# Altium PCB 3-as-manufactured.pcbdoc (part 6 of 12)
Units mil, origin at the board's own origin, x right, y up, seen from the top; angles counter-clockwise.
Board outline 2728 x 2217 mil, 8 copper layers (L1_TOP, L2_GND, L3_INNER1, L4_GND, L5_PWR, L6_INNER2, L7_GND, L8_BOT), stack 48.618 mil thick; 227 components, 321 nets, 1592 pads, 1187 vias.
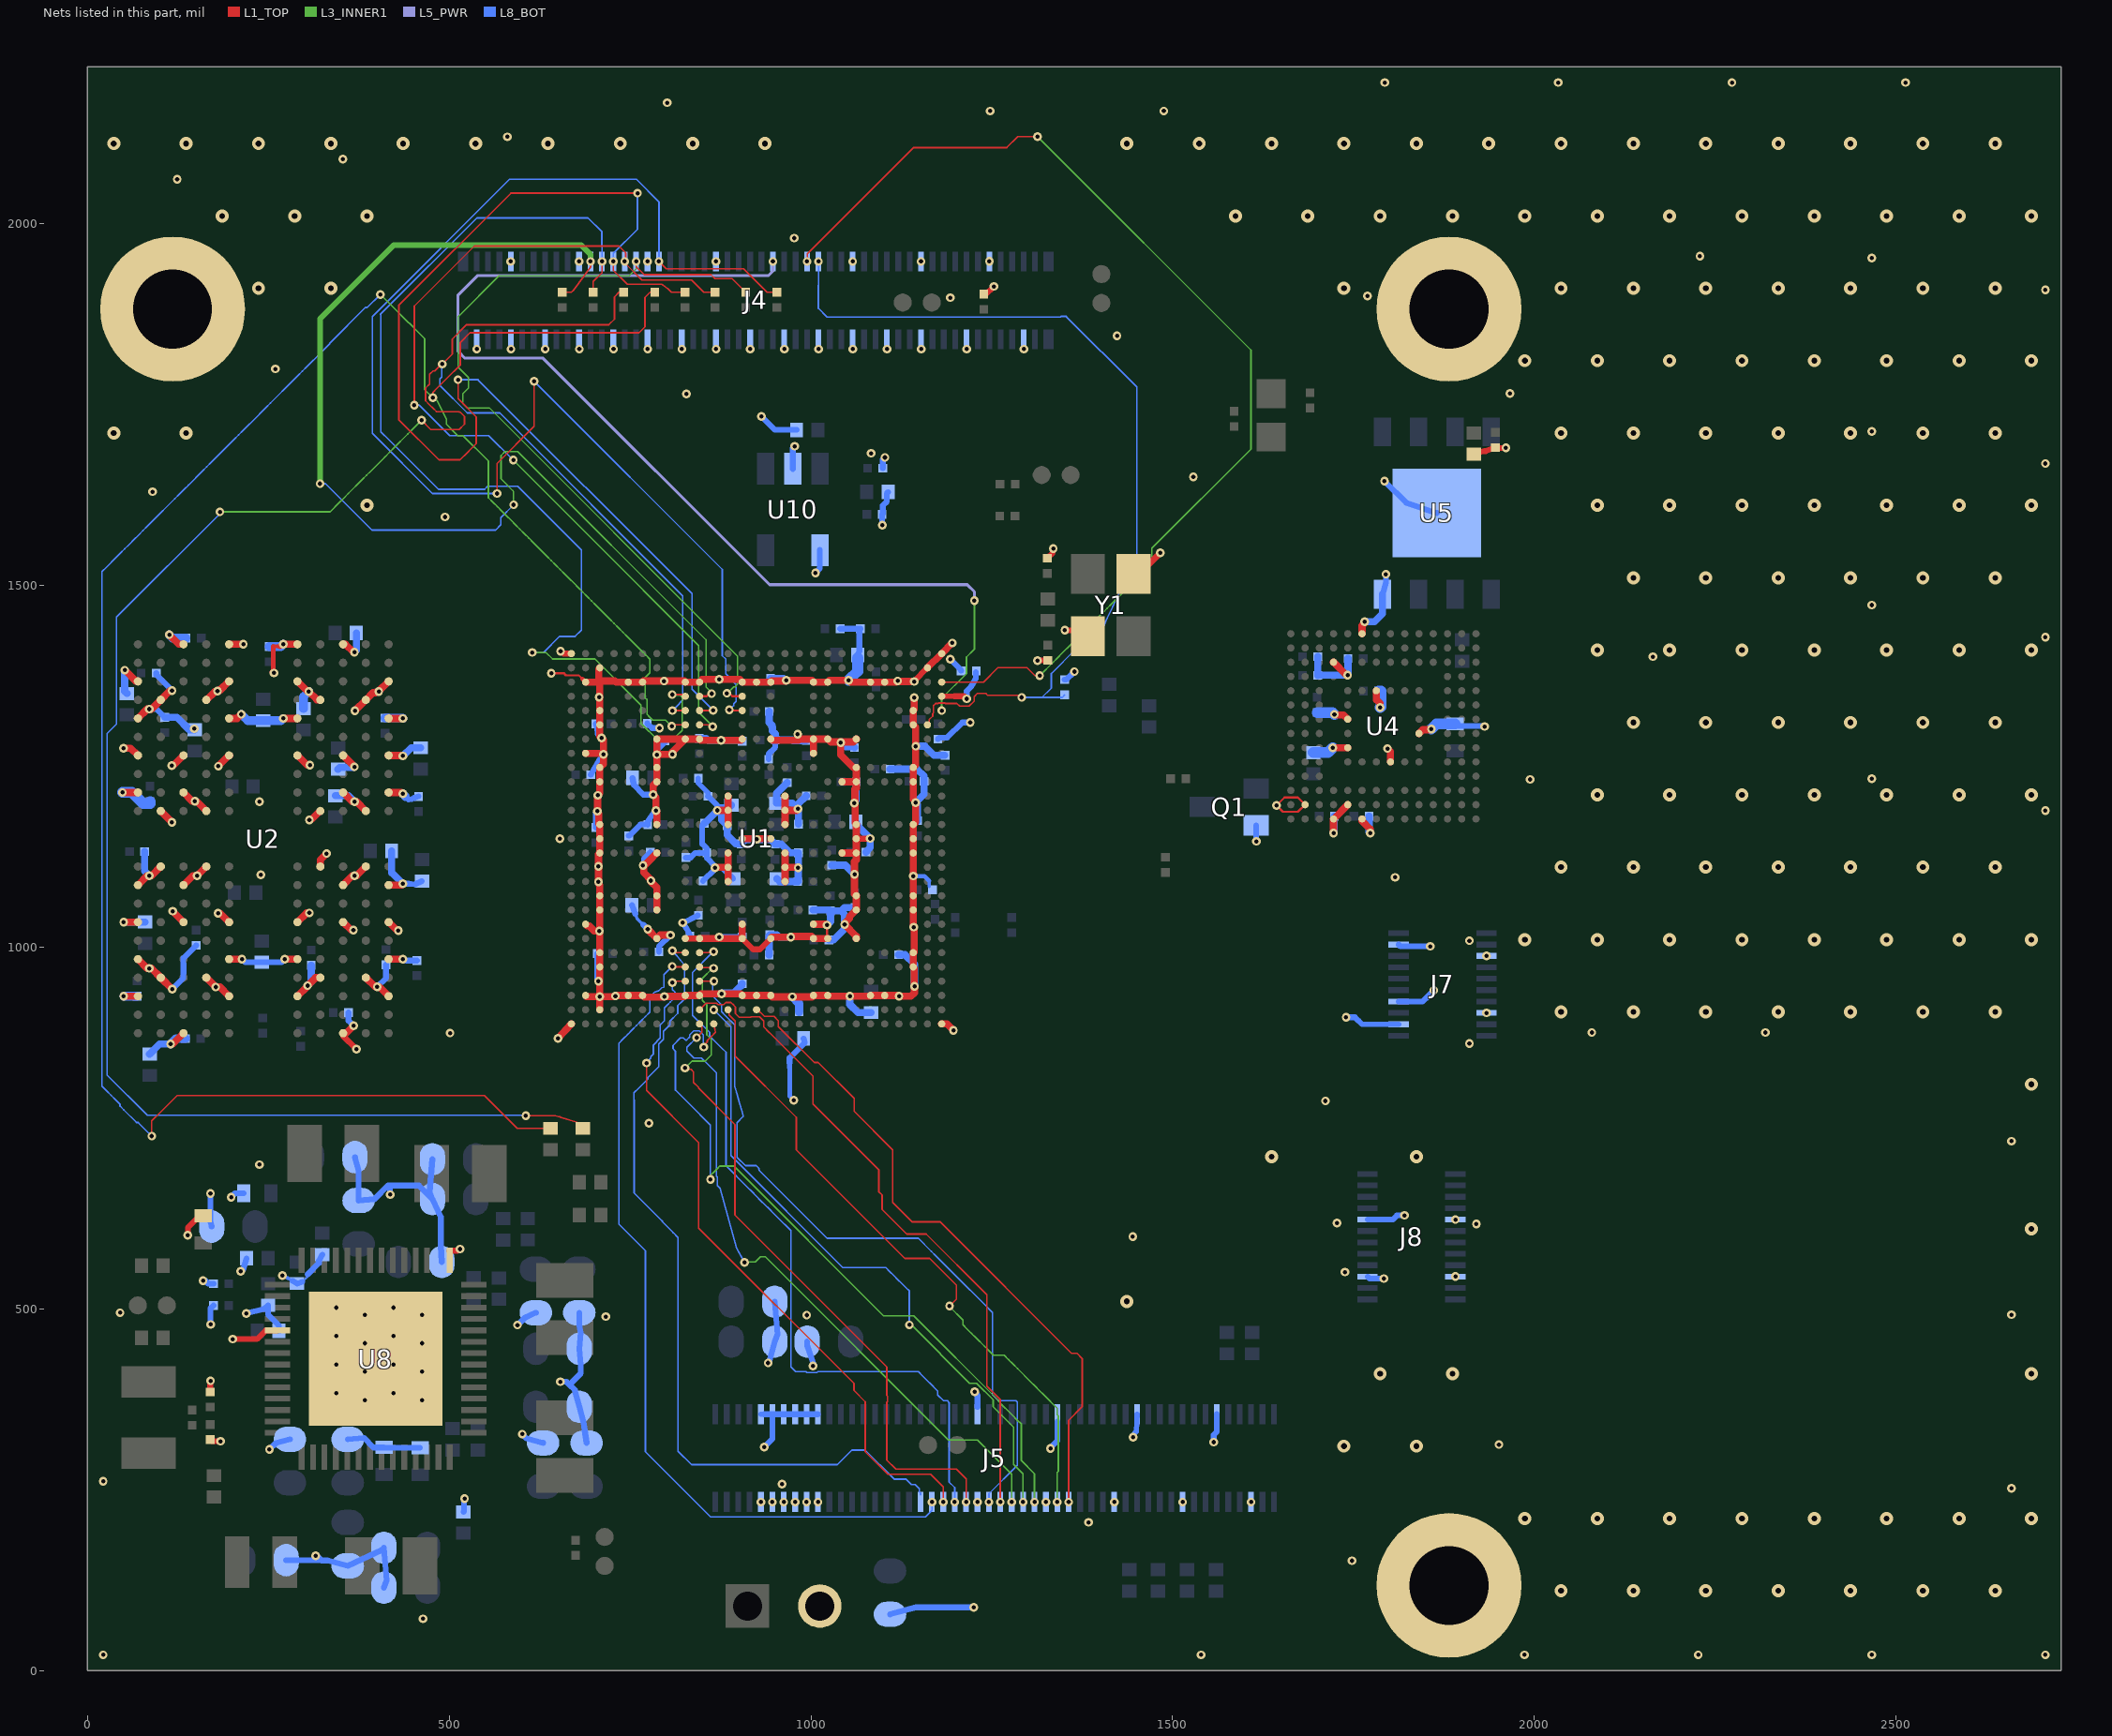
[diagram p12: the nets of this part, all layers, seen from the top]

## Via types
v1: diameter 12, hole 5.9, L1_TOP to L8_BOT, tented both sides, 1041 vias
v2: diameter 18, hole 8, L1_TOP to L8_BOT, tented both sides, 146 vias

## Nets (pads, with @x,y where several pads share a name; then routed paths per layer and width w, separated by ;. In a path a pad name is that pad's centre, name@x,y a point inside that pad or via, vN(x,y) a via of type N, cw(c..) or ccw(c..) an arc to the next point about the centre after c; other vN are vias at no path point) (continued)
GND: BH1.1 BH2.1 BH3.1 C1.2 C2.2 C3.2 C5.2 C6.2 C8.2 C9.2 C10.2 C11.2 C12.2 C13.2 C15.2 C16.2 C17.2 C20.2 C21.2 C23.2 C30.2 C33.2 C35.2 C36.2 C48.2 C54.2 C55.2 C61.2 C65.2 C74.2 C78.2 C88.2 C89.2 C90.2 C91.2 C92.2 C93.2 C94.2 C95.2 C99.2 C100.2 C101.2 C104.2 C105.2 C106.2 C108.2 C109.2 C110.2 C111.2 C112.2 C113.2 C114.2 C115.2 C117.2 C118.2 C119.2 C123.2 C124.2 C127.2 C128.2 C129.2 C130.2 C131.2 C132.2 C133.2 C136.2 C137.2 C138.2 C139.2 C234.1 C235.2 C241.2 C244.2 C245.2 C247.2 C248.2 C251.2 C253.2 C254.2 C255.2 C256.2 C260.2 C264.2 C265.2 C266.2 C267.2 C268.2 C275.2 C279.1 C281.1 C283.2 C285.2 C287.2 C295.1 C298.2 C299.2 C301.1 C303.2 C304.2 C306.1 C307.1 C311.2 C312.2 C316.1 C317.2 C323.1 C324.2 C333.2 C337.2 C360.2 C363.2 C365.2 C370.2 C371.2 C372.2 C373.2 C374.2 C375.2 C376.2 C378.2 C379.2 C380.2 C381.2 C382.2 C384.2 C391.2 C392.2 C393.2 C394.2 C400.2 C401.1 C402.1 C403.2 C404.2 C405.2 C406.2 C407.1 C408.2 C410.2 J4.1 J4.7 J4.8 J4.13 J4.19 J4.20 J4.25 J4.31 J4.32 J4.37 J4.43 J4.44 J4.49 J4.55 J4.61 J4.67 J4.68 J4.73 J4.79 J4.80 J4.87 J4.92 J4.97 J5.9 J5.10 J5.11 J5.12 J5.13 J5.14 J5.15 J5.16 J5.17 J5.18 J5.19 J5.20 J5.47 J5.48 J5.60 J5.61 J5.72 J5.75 J5.84 J5.89 J5.96 J6.2 J7.3 J7.6 J7.7 J7.16 J7.17 J8.9 J8.10 J8.19 J8.20 Q1.2 R4.1 R7.1 R18.2 R23.2 R28.2 R29.2 R30.2 R103.2 R121.1 R122.1 R123.1 R124.1 R135.2 U1.A1 U1.A27 U1.AA7 U1.AA9 U1.AA10 U1.AA13 U1.AA15 U1.AA18 U1.AA19 U1.AA21 U1.AB3 U1.AB25 U1.AC3 U1.AC25 U1.AE2 U1.AE5 U1.AE6 U1.AE9 U1.AE10 U1.AE13 U1.AE14 U1.AE15 U1.AE18 U1.AE19 U1.AE22 U1.AE23 U1.AF3 U1.AG1 U1.AG27 U1.B3 U1.B26 U1.C2 U1.C5 U1.C6 U1.C9 U1.C10 U1.C13 U1.C14 U1.C15 U1.C18 U1.C19 U1.C22 U1.C23 U1.E3 U1.E25 U1.F3 U1.F25 U1.G7 U1.G9 U1.G10 U1.G13 U1.G15 U1.G18 U1.G19 U1.G21 U1.H2 U1.H18 U1.J3 U1.J7 U1.J21 U1.J25 U1.K3 U1.K7 U1.K20 U1.K21 U1.K25 U1.L12 U1.L16 U1.M12 U1.M16 U1.N3 U1.N7 U1.N12 U1.N16 U1.N21 U1.N25 U1.P3 U1.P13 U1.P15 U1.P21 U1.P25 U1.R3 U1.R7 U1.R12 U1.R16 U1.R20 U1.R21 U1.R25 U1.T12 U1.T16 U1.U12 U1.U16 U1.V3 U1.V7 U1.V21 U1.V25 U1.W3 U1.W7 U1.W21 U1.W25 U1.Y2 U1.Y13 U1.Y18 U2.A3 U2.A10 U2.AB3 U2.AB5 U2.AB8 U2.AB10 U2.C1 U2.C5 U2.C8 U2.C12 U2.D2 U2.D4 U2.D9 U2.D11 U2.E1 U2.E5 U2.E8 U2.E12 U2.G1 U2.G3 U2.G5 U2.G8 U2.G10 U2.G12 U2.J1 U2.J3 U2.J10 U2.J12 U2.K2 U2.K4 U2.K9 U2.K11 U2.N2 U2.N4 U2.N9 U2.N11 U2.P1 U2.P3 U2.P10 U2.P12 U2.T1 U2.T3 U2.T5 U2.T8 U2.T10 U2.T12 U2.V1 U2.V5 U2.V8 U2.V12 U2.W2 U2.W4 U2.W9 U2.W11 U2.Y1 U2.Y5 U2.Y8 U2.Y12 U4.A6 U4.C4 U4.E7 U4.G5 U4.H10 U4.J5 U4.K8 U4.N2 U4.N5 U4.P4 U4.P6 U5.4 U5.9 U8.5 U8.43 U8.57 U10.2 U10.4 Y1.2 Y1.4 | length 11402.4
  L1_TOP w2.79: 660.88,1376.28 661.62,1375.54 679.58,1375.54 684.13,1370.99
  L1_TOP w3: v1(1022.22,1030.58) 1022.22,1013.19 U1.AA19@1023.31,1012.1 ; v1(1643.48,1195.93) 1654.45,1206.9 1673,1206.9 U4.N2@1682.91,1196.99 1673.04,1187.12 1652.29,1187.12 v1(1643.48,1195.93)
  L1_TOP w3.37: v1(641.29,1378.66) 658.5,1378.66 660.88,1376.28
  L1_TOP w5: 256.91,1415.81 v1@266.08,1415.81
  L1_TOP w5.71: 684.13,1370.99 U1.C2@688.67,1366.44
  L1_TOP w6.29: v1@256.91,1381.4 256.91,1415.81
  L1_TOP w8: U1.AA13@905.21,1012.1 920.18,997.13 929.6,997.13 U1.AA15@944.57,1012.1 ; U1.P21@1062.69,1149.9 1081.68,1149.9 v1(1082.08,1150.3) ; v1(1142.66,1367.21) 1142.66,1367.67 U1.B26@1161.11,1386.12
  L1_TOP w8.05: v1(139.05,601.94) 139.05,612.36 156.32,629.62 C360.2@160,628.7 ; C299.2@170,319.49 172.27,317.22 v1(184.23,317.22) ; C298.2@170,385.51 170,400.32 v1(170.45,400.77) ; v1(201.2,458.41) 234.58,458.41 246.77,470.6 U8.5@262.86,470.6 ; v1@255.69,1380.18 256.82,1380.18 v1(258,1379) ; v1@266.08,1415.81 v1@268.85,1418.58 ; U2.A3@353.57,881.2 353.58,877.35 v1@371.89,859.04 ; U8.43@501.07,580.54 511.59,580.54 513.96,582.91 v1(515.03,582.91) ; v1(654.12,1408.95) 655.19,1408.95 658.3,1405.85 659.08,1405.85 U1.A1@668.98,1405.81 ; U1.AA9@826.47,1012.1 U1.AA10@846.15,1012.1 ; R135.2@1239,1902.5 1241.41,1901.7 v1(1252.84,1913.13) ; v1(1313.1,1396.26) 1320.07,1396.26 1320.33,1396.52 C124.2@1327.3,1396.52 ; C123.2@1326.68,1537.75 1334.24,1545.31 1334.24,1550.24 v1(1335,1551) ; v1(1350.9,1438.03) 1365.91,1438.03 Y1.4@1382.83,1429.55 ; Y1.2@1445.85,1516.15 1452.39,1514.63 1476.03,1538.27 v1(1482.72,1544.97) ; C139.2@1916,1681.24 1930.94,1685.73 1932.67,1685.73 C138.2@1946,1690.49 1947.47,1689.97 v1(1960.49,1689.97)
  L1_TOP w10: v1(48.68,1213.88) U2.P12@70.1,1213.88 ; v1(50.08,1275.14) 60.02,1275.14 U2.T12@70.1,1265.06 ; v1(50.41,932.38) U2.C12@70.1,932.38 ; v1(50.41,1034.74) U2.G12@70.1,1034.74 ; v1(51.89,1382.9) 67.37,1367.42 U2.Y12@70.1,1367.42 ; U2.E12@70.1,983.56 82.89,970.77 v1(85.85,970.77) 88.8,970.77 U2.D11@101.6,957.97 v1(117.5,942.07) ; U2.J12@70.1,1085.92 82.9,1098.72 v1(85.85,1098.72) 88.81,1098.72 U2.K11@101.6,1111.51 ; U2.V12@70.1,1316.24 82.89,1329.03 v1(85.85,1329.03) 88.8,1329.03 U2.W11@101.6,1341.83 114.31,1354.54 v1(117.22,1354.54) ; U2.N11@101.6,1188.29 v1(117.15,1172.74) ; v1(113.36,1431.9) 126.66,1418.6 U2.AB10@133.09,1418.6 ; v1(115.25,866.3) 118.19,866.3 U2.A10@133.09,881.2 ; v1(117.01,1250.89) 118.92,1250.89 U2.T10@133.09,1265.06 ; v1(118.03,1049.8) U2.G10@133.09,1034.74 ; U2.J10@133.09,1085.92 145.89,1098.72 v1(151.8,1098.72) U2.K9@164.59,1111.51 ; U2.P10@133.09,1213.88 145.07,1201.9 v1(148.89,1201.9) 149.71,1201.08 151.8,1201.08 U2.N9@164.59,1188.29 ; U2.W9@164.59,1341.83 165,1341.83 176.21,1353.04 179.04,1353.04 180.96,1354.96 183.22,1354.96 195.68,1367.42 U2.Y8@196.09,1367.42 ; U2.D9@164.63,957.97 v1@177.6,945 ; v1@177.6,944.92 183.55,944.92 U2.C8@196.09,932.38 ; v1(180.76,1047.08) 183.75,1047.08 U2.G8@196.09,1034.74 ; v1(181.19,1250.16) U2.T8@196.09,1265.06 ; U2.E8@196.09,983.56 v1(213.84,983.56) ; U2.V8@196.09,1316.24 207.26,1316.24 v1(212.92,1321.9) ; U2.AB8@196.09,1418.6 v1(215.77,1418.6) ; v1(270.89,1316.24) U2.V5@290.57,1316.24 ; v1(270.89,1418.6) U2.AB5@290.57,1418.6 ; v1(272.82,983.56) U2.E5@290.57,983.56 ; U2.C5@290.57,932.38 304.47,946.28 v1(304.47,946.93) 315.51,957.97 U2.D4@322.07,957.97 ; U2.G5@290.57,1034.74 303.2,1047.37 v1(306.97,1047.37) ; U2.T5@290.57,1265.06 303.89,1251.74 v1(307.68,1251.74) ; U2.Y5@290.57,1367.42 304.59,1353.4 v1(306.19,1353.4) 317.47,1342.12 321.78,1342.12 U2.W4@322.07,1341.83 ; v1(307,1175.91) 308.15,1177.05 310.43,1177.05 321.66,1188.29 U2.N4@322.07,1188.29 ; U2.K4@322.07,1111.51 322.07,1120.67 v1(330.86,1129.46) ; U2.G3@353.57,1034.74 364.78,1023.53 v1(367.87,1023.53) ; U2.J3@353.57,1085.92 366.37,1098.72 v1(369.3,1098.72) 372.27,1098.72 U2.K2@385.06,1111.51 ; U2.P3@353.57,1213.88 366.37,1201.08 369.4,1201.08 v1(369.5,1200.98) 372.37,1200.98 U2.N2@385.06,1188.29 ; U2.T3@353.57,1265.06 v1(369.24,1249.35) ; U2.AB3@353.57,1418.6 353.86,1418.31 357.25,1418.31 367.94,1407.62 v1(369.29,1407.62) ; U2.A3@353.57,881.2 357.68,881.2 v1(368.01,891.53) ; v1(369.86,1326.63) U2.W2@385.06,1341.83 394.92,1351.69 398.24,1351.69 399.76,1353.21 v1(402.89,1353.21) 402.89,1353.75 U2.Y1@416.56,1367.42 ; U2.D2@385.06,957.97 397.85,945.18 v1(400.81,945.18) 403.76,945.18 U2.C1@416.56,932.38 ; U2.E1@416.56,983.56 v1(436.24,983.56) ; U2.G1@416.56,1034.74 428.23,1023.07 429.86,1023.07 v1(429.9,1023.03) ; U2.J1@416.56,1085.92 434.24,1085.92 v1(436.06,1087.74) ; U2.P1@416.56,1213.88 434.24,1213.88 v1(436.06,1212.06) ; U2.T1@416.56,1265.06 435.61,1265.06 v1(436.35,1264.32) ; U2.V1@416.56,1316.24 v1(436.24,1316.24) ; v1(650.54,874.07) U1.AG1@668.98,893.99 ; U1.H2@688.67,1268.01 712.03,1268.01 v1(713.39,1266.65) ; U1.C2@688.67,1366.44 705.29,1366.44 706.77,1367.92 ; U1.AE2@690.5,931.53 v1(708.21,931.53) ; U1.Y2@691.1,1029.36 693.62,1029.36 700.76,1022.22 v1(707.81,1022.22) ; v1(707.31,1345.6) v1@708.35,1344.56 ; U1.AF3@708.35,913.68 708.21,913.82 v1(708.21,931.53) ; U1.B3@708.35,1386.12 706.77,1384.54 706.77,1367.92 ; v1(774.61,1024.87) 774.61,1024.58 U1.AA7@787.09,1012.1 791.72,1016.73 v1(805.89,1016.73) ; U1.W7@787.09,1051.48 787.09,1082.56 779,1090.65 779,1093.35 768.96,1103.4 768.96,1112.04 v1(768,1113) 768.96,1113.96 770.95,1113.96 781.41,1124.42 781.41,1124.54 U1.R7@787.09,1130.22 ; U1.N7@787.09,1169.58 787.09,1187.7 v1(785.89,1188.9) 785.89,1206.9 v1(781.89,1210.9) 781.89,1223.44 U1.K7@787.09,1228.64 U1.J7@787.09,1248.32 v1(787.09,1266.17) ; U1.AA10@846.15,1012.1 871.44,1012.1 v1(873.5,1014.16) 875.56,1012.1 U1.AA13@905.21,1012.1 U1.Y13@905.21,1031.79 ; v1(867.54,1109.96) 868.11,1110.53 U1.T12@885.52,1110.53 ; v1(870.59,1189.16) 870.7,1189.27 U1.M12@885.52,1189.27 ; v1(876.47,935.72) 876.54,935.72 902.85,935.72 U1.AE13@905.21,933.36 U1.AE15@944.57,933.36 946.43,931.51 v1(974.35,931.51) 1001.78,931.51 U1.AE18@1003.63,933.36 U1.AE19@1023.31,933.36 1024.4,932.27 v1(1053.8,932.27) 1081.25,932.27 U1.AE22@1082.37,933.36 U1.AE23@1102.05,933.36 1120.79,933.36 v1(1121.84,932.32) 1138.44,932.32 1143.26,937.14 v1(1143.26,946.08) 1142.97,946.37 1142.97,971.2 U1.AC25@1141.43,972.74 U1.AB25@1141.43,992.42 1142.7,993.69 1142.7,1027.1 v1(1142,1027.8) ; v1(876.47,935.72) 848.51,935.72 U1.AE10@846.15,933.36 U1.AE9@826.47,933.36 825.04,931.94 v1(797.52,931.94) 796.56,930.98 769.79,930.98 U1.AE6@767.41,933.36 U1.AE5@747.73,933.36 730.65,933.36 v1(729.89,932.6) 728.82,931.53 v1(708.21,931.53) ; U1.U12@885.52,1090.84 U1.T12@885.52,1110.53 ; U1.R12@885.52,1130.22 U1.T12@885.52,1110.53 ; U1.N12@885.52,1169.58 U1.M12@885.52,1189.27 ; U1.L12@885.52,1208.96 U1.M12@885.52,1189.27 ; U1.P13@905.21,1149.9 924.23,1149.9 v1(925.04,1149.09) 925.85,1149.9 U1.P15@944.57,1149.9 ; U1.G13@905.21,1287.7 903.55,1286.04 v1(875.81,1286.04) 847.81,1286.04 U1.G10@846.15,1287.7 U1.G9@826.47,1287.7 ; U1.AA15@944.57,1012.1 946.35,1013.88 v1(972.2,1013.88) 973.2,1014.88 1000.85,1014.88 U1.AA18@1003.63,1012.1 U1.AA19@1023.31,1012.1 ; U1.G15@944.57,1287.7 946.39,1285.88 983,1285.88 ; U1.U16@964.26,1090.84 U1.T16@964.26,1110.53 ; U1.R16@964.26,1130.22 U1.T16@964.26,1110.53 ; U1.N16@964.26,1169.58 U1.M16@964.26,1189.27 ; U1.L16@964.26,1208.96 U1.M16@964.26,1189.27 ; v1(981.81,1294.26) 982.77,1293.31 982.77,1286.11 983,1285.88 ; v1(982.18,1191.15) 980.3,1189.27 U1.M16@964.26,1189.27 ; v1(982.4,1109.84) 981.71,1110.53 U1.T16@964.26,1110.53 ; U1.Y18@1003.63,1031.79 1021.01,1031.79 v1(1022.22,1030.58) ; U1.H18@1003.63,1268.01 U1.G18@1003.63,1287.7 ; v1@1041.12,1282.52 1041.12,1265.89 1058.69,1248.32 U1.J21@1062.69,1248.32 U1.K21@1062.69,1228.64 ; v1@1041.26,1282.66 1042.17,1283.57 1058.56,1283.57 U1.G21@1062.69,1287.7 ; v1(1041.31,1282.62) 1040.35,1283.57 1027.44,1283.57 U1.G19@1023.31,1287.7 U1.G18@1003.63,1287.7 ; U1.R20@1043,1130.22 U1.R21@1062.69,1130.22 ; U1.K20@1043,1228.64 U1.K21@1062.69,1228.64 ; v1@1046.59,1031.4 1062.69,1015.3 U1.AA21@1062.69,1012.1 ; v1(1046.66,1031.48) 1046.66,1032.83 1053.51,1039.68 1053.51,1042.3 U1.W21@1062.69,1051.48 U1.V21@1062.69,1071.16 1060.27,1073.57 v1(1060.27,1100.65) 1060.27,1118.35 1062.69,1120.77 U1.R21@1062.69,1130.22 ; v1(1060,1199.16) 1060,1197.81 1061.04,1196.77 1061.04,1171.23 U1.N21@1062.69,1169.58 U1.P21@1062.69,1149.9 U1.R21@1062.69,1130.22 ; v1@1061.04,1199.16 1060.96,1199.24 1060.96,1218.31 1062.69,1220.05 U1.K21@1062.69,1228.64 ; v1(1141.56,1098.36) 1141.43,1098.23 1141.43,1028.37 v1@1141.9,1027.9 ; v1@1142.65,1099.45 1141.43,1100.67 U1.N25@1141.43,1169.58 1144.67,1172.82 v1(1144.67,1199.77) ; v1(1142.66,1367.21) 1120.68,1367.21 v1(1119.86,1368.03) 1118.27,1366.44 U1.C23@1102.05,1366.44 U1.C22@1082.37,1366.44 1054.72,1366.44 v1(1052.24,1368.92) 1025.79,1368.92 U1.C19@1023.31,1366.44 U1.C18@1003.63,1366.44 1001.32,1368.75 v1(965.89,1368.75) 964.93,1367.79 945.92,1367.79 U1.C15@944.57,1366.44 U1.C14@924.89,1366.44 U1.C13@905.21,1366.44 901.51,1370.14 v1(873.26,1370.14) 849.85,1370.14 U1.C10@846.15,1366.44 U1.C9@826.47,1366.44 825.09,1367.81 v1(797.23,1367.81) 768.78,1367.81 U1.C6@767.41,1366.44 U1.C5@747.73,1366.44 730.92,1366.44 729.11,1368.25 728.78,1367.92 706.77,1367.92 ; v1(1142.96,1344.93) 1142.96,1328.59 U1.E25@1141.43,1327.06 U1.F25@1141.43,1307.38 1144.93,1303.88 v1(1144.93,1277.76) 1144.93,1251.82 U1.J25@1141.43,1248.32 U1.K25@1141.43,1228.64 1141.43,1204.36 v1@1144.67,1201.12 ; U1.B26@1161.11,1386.12 U1.A27@1180.8,1405.81 v1(1195.49,1420.5) ; U1.AG27@1180.8,893.99 1188.24,893.99 v1(1197.01,885.22) ; v1(1721.33,1275.73) U4.J5@1741.97,1275.73 ; v1(1722.28,1157.86) U4.P4@1722.28,1177.31 U4.N5@1741.97,1196.99 ; U4.C4@1722.28,1393.84 1740.13,1375.99 v1(1741.72,1375.99) ; v1(1723.44,1321.79) 1724.4,1320.83 1736.24,1320.83 U4.G5@1741.97,1315.1 ; U4.P6@1761.65,1177.31 1761.65,1174.61 1773.14,1163.12 v1(1773.14,1157.71) ; U4.A6@1761.65,1433.21 1761.65,1444.35 1765.41,1448.11 v1(1765.41,1449.79) ; U4.E7@1781.34,1354.47 1781.34,1342.08 1786.48,1336.94 v1(1786.48,1331.16) ; v1(1796.79,1274.61) 1801.02,1270.38 U4.K8@1801.02,1256.05 ; U4.H10@1840.39,1295.42 1845.58,1300.61 1856.51,1300.61 v1(1857.46,1301.57) ; 706.77,1367.92 708.35,1366.34 v1@708.35,1344.56 ; v1(707.81,1022.22) 708.35,1022.76 U1.W3@708.35,1051.48 U1.V3@708.35,1071.16 708.35,1085.47 706.86,1086.96 706.86,1088.51 706.64,1088.73 706.64,1090.24 v1(706.52,1090.36) v1(706.52,1111.9) 706.52,1128.39 U1.R3@708.35,1130.22 U1.P3@708.35,1149.9 U1.N3@708.35,1169.58 706.96,1170.97 706.96,1184.69 705,1186.65 v1(705,1188) 705.32,1188.33 705.32,1209.61 708.35,1212.64 U1.K3@708.35,1228.64 U1.J3@708.35,1248.32 713.39,1253.36 v1(713.39,1266.65) ; v1(707.81,1022.22) 708.35,1021.68 U1.AB3@708.35,992.42 U1.AC3@708.35,972.74 708.35,954.97 v1(706.55,953.17) 708.21,951.51 v1(708.21,931.53) ; v1@708.35,1344.56 U1.E3@708.35,1327.06 U1.F3@708.35,1307.38 708.35,1291.57 v1(710.84,1289.08) 713.39,1286.53 v1(713.39,1266.65) ; v1(787.09,1266.17) U1.G7@787.09,1287.7 U1.G9@826.47,1287.7 ; v1(787.09,1266.17) 787.47,1266.55 v1(808.81,1266.55) 808.81,1270.04 U1.G9@826.47,1287.7 ; 983,1285.88 984.82,1287.7 U1.G18@1003.63,1287.7
  L8_BOT w3: C13.2@297.26,537.42 298.02,538.18 302.19,542.32 304.51,544.64 304.51,547.92
  L8_BOT w4: C17.2@1163.59,1083.87 1163.59,1091.67
  L8_BOT w4.54: 277.13,542.56 C13.2@283.57,538.9 ; 757.43,1045.85 759.73,1039.71 762.12,1037.32 768.37,1031.09
  L8_BOT w5: v1@270.7,546.22 277.13,542.56
  L8_BOT w6: v1(1141.56,1098.36) 1156.9,1098.36 1163.59,1091.67
  L8_BOT w6.29: 970.62,833.7 970.62,794.27 v1(976.4,788.49)
  L8_BOT w6.88: 970.62,833.7 970.62,840.41
  L8_BOT w7: C95.2@844.4,1233.61 844.4,1226.95 857.78,1213.57 C78.2@857.78,1208.61
  L8_BOT w7.46: 443.96,1204.17 448.54,1204.6 451.89,1206.4 ; J5.9@931.06,354.53 935.08,354.53 ; v1(1445.45,323) 1444.2,324.25 1449.91,330.66 1450.47,344.26 J5.75@1450.74,354.53 ; 1756.71,898.3 1761.56,893.44 J7.3@1812.23,893.45
  L8_BOT w8: v1(85.85,1329.03) 95.97,1329.03 C375.2@107.2,1317.8 ; C373.2@95.4,1378.9 95.4,1376.36 v1(117.22,1354.54) ; v1(117.5,942.07) 132.89,957.46 132.89,963.66 133.17,963.94 133.17,977.2 132.89,977.48 132.89,984.8 C372.2@150.6,1002.51 ; v1(213.84,983.56) 218.26,979.14 C115.2@241.39,979.14 268.4,979.14 v1(272.82,983.56) ; C379.2@361.08,909.56 361.08,898.46 v1(368.01,891.53) ; v1(400.81,945.18) 412.78,957.15 C370.2@412.78,975.73 ; v1(436.24,983.56) v1@438.11,981.69 ; v1(768,1113) 769.34,1114.34 769.34,1122.25 C93.2@778.2,1131.11 ; C90.2@827.25,1123.9 833.89,1123.9 840.4,1130.41 C54.2@856.31,1130.41 ; C61.2@850.96,1091.56 867.54,1108.14 v1(867.54,1109.96) ; C74.2@852.92,1171.19 849.89,1168.16 849.89,1142.91 856.31,1136.49 C54.2@856.31,1130.41 ; C78.2@857.78,1208.61 870.59,1195.8 v1@870.59,1193.42 ; v1(873.5,1014.16) 873.8,1013.86 C251.2@905.13,1013.86 ; v1(875.81,1286.04) 877.02,1284.83 C5.2@905,1284.83 ; C55.2@892.54,1094.69 877.27,1109.96 v1(867.54,1109.96) ; C65.2@941.7,1259.62 941.7,1267.45 950.8,1276.55 C1.2@950.8,1286.45 ; C54.2@856.31,1130.41 856.31,1123.27 867.54,1112.04 v1(867.54,1109.96)
  L8_BOT w8.05: v1(160.07,539.07) 163.45,539.07 167.52,535 C337.2@174.49,535 ; v1(170.29,659.81) 170.28,620.36 C365.2@171.99,614 ; v1(170.46,478.77) 170.46,500.97 C333.2@174.49,505 ; v1(198.91,654.63) 204.28,660 C363.2@216.3,660 ; v1(212.23,552.22) 213.09,552.22 215.67,554.8 C11.2@220.24,570 ; v1(220,494) 244.02,500.26 C12.2@250,505.24 250,492.17 264.76,477.41 C406.2@264.76,470 ; v1(251.85,306.06) 260.56,314.77 C307.1@280,320 ; v1(269.81,546.22) v1@270.69,546.22 ; C317.2@275,153 315.71,152.97 323.66,152.96 324.03,152.59 ; C13.2@283.57,538.9 C13.2@290,535.24 C13.2@297.26,537.42 ; 304.51,547.92 320.18,563.6 320.18,566.66 C10.2@325,575.24 ; v1(315.71,158.93) 317.7,158.93 324.04,152.59 ; 331.77,152.59 324.04,152.59 ; 331.78,152.59 C301.1@360,145 407.13,167.14 409.98,169.99 413.94,125.25 C312.2@410,115.01 ; C306.1@360,320 382.38,321.97 395.66,308.7 C323.1@410,308.7 410.3,308.41 C410.2@460,308.4 ; C324.2@370,710 375,691.4 C279.1@375,650 397.02,651.94 415.68,670.6 ; v1(418.55,658.1) 418.55,667.74 415.68,670.61 ; v1@436.04,1087.74 444.09,1087.74 452.52,1086.94 C119.2@462.51,1091.43 ; v1(436.24,983.56) 441.45,981.69 C382.2@455.49,981.69 ; 451.89,1206.4 C376.2@457.89,1208.41 ; C287.2@476.99,706.99 473.09,662.18 C283.2@476.99,652 ; 488.69,627.16 488.69,587.45 C316.1@490,565 ; 488.68,627.17 C283.2@476.99,651.99 ; C260.2@520,219.76 520.74,220.51 520.74,237.4 v1(521.48,238.14) ; v1(594.52,477.86) 604.26,487.61 C275.2@620,495 ; v1(601.07,327.16) 607.05,321.17 C304.2@630,315 ; v1(653.94,399.53) 662.46,399.53 666.42,395.57 ; C285.2@680,495 680,477.4 681.97,467.38 C295.1@680,445 681.97,422.62 681.97,411.12 674.19,403.35 666.42,395.57 ; C303.2@690,315 687.5,332.6 685.79,343.48 C281.1@680,365 673.75,388.23 666.42,395.57 ; R7.1@695.95,1238.46 710.92,1264.14 v1@713.4,1266.63 ; R121.1@702.88,1308.8 704.59,1302.8 705.43,1295.06 v1(710.84,1289.08) ; C267.2@703,1165.51 702.58,1184.86 702.58,1185.58 v1(705,1188) ; R123.1@704.98,991.3 704.97,954.76 v1(706.55,953.17) ; C91.2@748.42,1153.99 749.44,1154.61 764.42,1169.59 768.62,1169.59 C92.2@774.64,1169.51 774.63,1173.72 783.18,1186.41 v1(785.89,1188.9) ; C88.2@752.82,1058.1 755.12,1051.98 757.43,1045.85 ; C89.2@753.49,1234 754.8,1226.8 755.28,1224.19 768.56,1210.92 v1(781.89,1210.9) ; 768.37,1031.09 v1(774.61,1024.87) ; R122.1@773.91,1309.31 780.48,1302.73 v1(790.78,1302.73) ; R124.1@790.1,993.6 790.09,1000.93 v1(805.89,1016.73) ; v1(822.9,1033.82) v1@822.89,1032.89 ; C264.2@832.91,1015.27 830.92,1021.26 827.8,1026.42 v1@822.89,1032.89 ; C48.2@843.48,1044 823.28,1033.11 v1@822.9,1032.9 ; v1(931.8,1733.7) 950.49,1715 C407.1@980.24,1715 ; 935.08,354.53 J5.11@946.79,354.53 ; v1(935.61,309.28) 941.2,314.87 946.79,320.46 J5.11@946.79,354.53 ; v1(940.94,425.55) v1@942.5,427.11 ; v1@942.5,427.12 C402.1@950,455 953.94,465.25 C401.1@950,510 ; 970.62,840.41 970.62,847.12 991.68,868.18 C265.2@989.99,873.86 ; U10.2@975,1661.1 975,1689.78 v1(977.58,1692.36) ; C403.2@995,455 995,450 1004.2,422.58 v1(1003.02,421.4) ; v1(1006.36,1517.36) 1012.4,1523.4 U10.4@1012.4,1548.9 ; J5.19@1009.8,354.53 J5.15@978.3,354.53 J5.11@946.79,354.53 ; C408.2@1040.51,1440 C393.2@1068.49,1440 ; C405.2@1064.76,1404 1067.04,1409.07 1067.04,1437.12 C393.2@1068.49,1440 ; v1(1098.61,1583.13) 1098.41,1583.34 R30.2@1098.4,1598.3 1099.34,1599.24 1099.34,1610.34 1104.92,1615.92 1104.92,1627.17 R28.2@1106.76,1629 ; R29.2@1099.51,1662 1099.51,1674.01 v1(1102.33,1676.83) ; C404.2@1109.35,78.17 1145.02,87.76 v1(1225.17,87.76) ; C394.2@1175.53,1287.67 1177.51,1289.65 1188.25,1289.65 1209.3,1310.7 v1(1220.18,1310.7) ; v1(1192.58,1398.18) 1206.22,1384.55 R23.2@1207.49,1382 ; v1(1226.53,385.67) 1226.53,384.61 1230.27,380.86 J5.47@1230.27,364.51 ; v1(1331.09,307.4) 1331.09,308.47 1340.5,317.88 J5.61@1340.5,344.55 ; R18.2@1350.79,1369.71 1352.92,1369.7 v1(1364.1,1380.89) ; v1(1556.75,316.08) 1556.75,326.19 1560.96,330.41 J5.89@1560.98,354.53 ; Q1.2@1615.47,1168.5 1615.45,1146.38 v1(1615.55,1146.27) ; v1(1739.62,903.16) 1751.85,903.16 1756.71,898.3 ; J8.10@1769.37,623.62 1804.05,623.62 1809.85,629.43 v1(1820.2,629.43) ; J8.20@1769.37,544.88 1772.17,542.09 v1(1791.81,542.09) ; U5.4@1790,1487.8 1794.57,1503.78 v1(1794.57,1515.48) ; v1(1792.74,1644.12) 1822.78,1614.08 U5.9@1865,1600 ; J7.7@1812.23,924.95 1845.4,924.94 1853.13,932.68 v1(1860.87,940.41) ; J7.17@1812.23,1003.69 1814.66,1001.25 v1(1856.07,1001.25) ; C127.2@1890,1308.7 1892.94,1305.76 1930.24,1305.76 v1(1931,1305) ; 415.68,670.61 458.36,670.61 C283.2@476.98,651.99